# Altium PCB E-Nose&Alphasense.PcbDoc (continued)
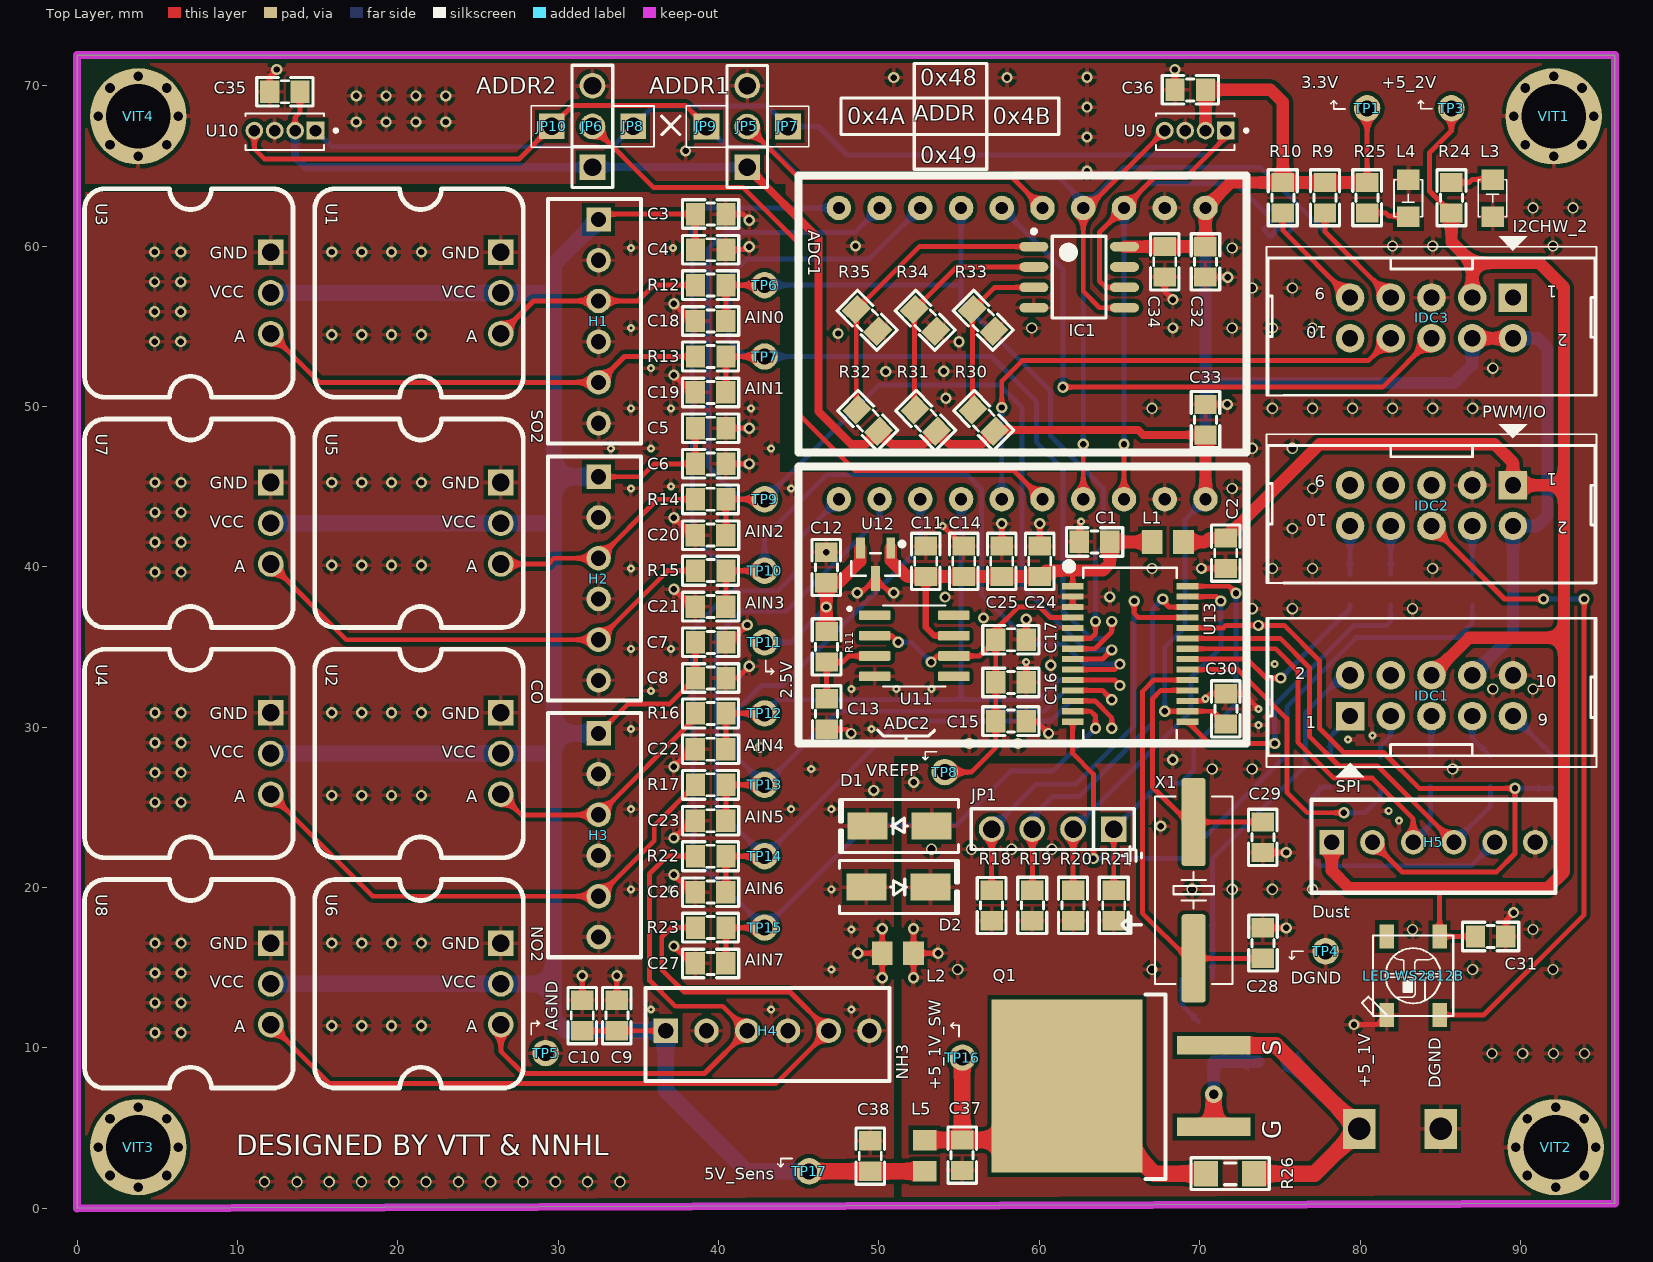
[diagram p0: Top Layer view]
## Nets (pads, with @x,y where several pads share a name; then routed paths per layer and width w, separated by ;. In a path a pad name is that pad's centre, name@x,y a point inside that pad or via, vN(x,y) a via of type N, cw(c..) or ccw(c..) an arc to the next point about the centre after c; other vN are vias at no path point)
2.5V: C12.1 R11.1 TP11.1 U12.2 | length 11.3
  Top Layer w0.762: R11.1@46.717,35.98 v1(46.717,37.497) C12.1 47.498,39.014 48.834,40.35 U12.2
  Bottom Layer w0.305: TP11.1 44.513,35.293 v1(46.717,37.497)
3.3V: ADC1.1 ADC2.1 C30.1 C32.1 C33.1 C34.2 C35.1 C36.1 IC1.8 IDC1.8 IDC2.2 IDC3.2 IDC3.4 JP5.1 JP6.1 R9.1 R10.1 R25.2 R30.2 R31.2 R32.2 TP1.1 U9.2 U10.2 U13.16 | length 202.1
  Top Layer w0.305: U10.2 13.589,68.04 13.9,68.351 C35.1 ; v1(67.818,30.994) U13.16 70.832,30.994 C30.1 ; R25.2 TP1.1
  Top Layer w0.508: JP5.1 46.228,60.477 46.228,49.682 48.26,47.65 49.165,47.65 R32.2 50.772,47.65 52.785,47.65 R31.2 54.392,47.65 56.404,47.65 R30.2 57.293,48.539 66.167,48.539 66.478,48.228 C33.1
  Top Layer w0.762: IC1.8 67.813,59.969 C34.2 67.83,59.969 C32.1 ADC1.1 71.939,63.963 R10.1 ; ADC2.1 70.361,44.224 C33.1 ; U9.2 C36.1 74.422,69.748 75.184,68.986 R10.1 ; R25.2 80.428,63.963 R9.1 R10.1 ; IDC3.4 IDC3.2
  Bottom Layer w0.305: JP6.1@32.126,64.922 JP6.1 ; JP5.1@41.778,64.927 JP5.1 ; v1@67.818,31.013 67.818,34.981 69.088,36.251 69.088,42.951 ADC2.1
  Bottom Layer w0.508: U10.2 13.589,65.557 14.224,64.922 JP6.1@32.126,64.922 ; JP6.1 JP5.1@41.778,64.927
  Bottom Layer w0.762: ADC2.1 70.358,51.46 ; ADC1.1 70.358,51.46 ; IDC1.8 89.535,35.777 IDC2.2 91.04,42.551 91.694,43.205 91.694,53.619 91.059,54.254 IDC3.2 IDC3.4 86.995,52.603 85.852,51.46 70.358,51.46
+5_1V: P1.2 Q1.3 R26.1 R36.2 | length 25.1
  Top Layer w1.016: Q1.3 74.744,10.16 P1.2 77.157,2.159 R26.1
  Bottom Layer w1.016: R36.2 75.76,9.144 P1.2
+5_1V_SW: C37.1 L5.2 Q1.2 R26.2 TP16.1 | length 26.4
  Top Layer w1.016: L5.2 52.851,4.262 C37.1 ; TP16.1 55.185,9.374 C37.1 ; R26.2 67.183,2.159 Q1.2 58.364,4.262 C37.1
+5_2V: "LED WS2812B.1-VDD" C2.1 C31.1 H5.1 IDC1.6 IDC2.1 IDC3.3 L1.2 R24.1 TP3.1 | length 116
  Top Layer w0.305: 84.963,19.964 84.962,19.963 84.962,16.953 87.189,16.953 C31.1 ; R24.1 84.328,63.438 84.328,65.812 85.695,67.179 TP3.1
  Top Layer w0.762: L1.2 70.358,41.551 70.612,41.805 C2.1 77.47,47.65 88.392,47.65 89.535,46.507 IDC2.1 92.71,45.091 ; H5.1 78.232,21.056 79.324,19.964 84.963,19.964 91.694,19.964 92.71,20.98 92.71,35.585 ; IDC1.6 86.803,35.585 92.71,35.585 ; R24.1 85.695,60.253 86.995,58.953 ; IDC3.3 86.995,58.953 ; 86.995,58.953 91.186,58.953 92.71,57.429 92.71,45.091 ; 92.71,35.585 92.71,45.091
+5V_ADC: C1.1 C11.1 C14.1 C24.1 C25.1 L1.1 U11.7 U12.1 U13.1 | length 25.3
  Top Layer w0.305: U13.1 62.078,39.751 62.103,39.776
  Top Layer w0.381: C11.1 52.917,36.236 53.441,35.712 U11.7
  Top Layer w0.762: U12.1 50.734,40.4 51.739,39.395 C11.1 C14.1 C25.1 C24.1 60.41,39.776 62.103,39.776 63.97,39.776 64.392,40.199 64.392,41.551 L1.1
+5V_Sensors: C3.1 C4.1 C5.1 C6.1 C7.1 C8.1 C9.1 C10.1 C38.1 H1.1 H2.1 H3.1 H4.1 L5.1 TP17.1 U1.2 U2.2 U3.2 U4.2 U5.2 U6.2 U7.2 U8.2 | length 188.4
  Top Layer w0.305: C10.1 C9.1 H4.1 ; H3.1 34.338,31.442 36.929,31.442 C8.1 C7.1 ; H2.1 35.179,45.618 35.982,46.421 C6.1 C5.1 ; H1.1 32.852,62.001 C3.1 C4.1
  Top Layer w1.016: TP17.1 C38.1 L5.1
  Bottom Layer w1.016: U8.2 U6.2 29.718,13.995 ; U4.2 U2.2 29.707,28.357 29.718,28.346 ; U7.2 U5.2 29.696,42.719 29.718,42.697 ; U3.2 U1.2 29.685,57.081 29.718,57.048 ; H3.1 29.718,29.616 ; H2.1 29.718,45.618 ; H1.1 29.718,58.867 29.718,57.048 ; TP17.1 41.763,2.306 36.703,7.366 H4.1 30.48,11.074 29.718,11.836 29.718,13.995 ; 29.718,13.995 29.718,28.346 ; 29.718,28.346 29.718,29.616 ; 29.718,29.616 29.718,42.697 ; 29.718,42.697 29.718,45.618 ; 29.718,45.618 29.718,57.048
-5: IDC3.1
ADS1115_1_ADDR: ADC1.5 JP5.2 | length 20.5
  Top Layer w0.305: JP5.2 44.958,64.287 58.293,64.287 ADC1.5
ADS1115_2_ADDR: ADC2.5 JP6.2 | length 43.9
  Top Layer w0.305: JP6.2 35.946,63.652 41.529,63.652 44.958,60.223 44.958,49.555 48.514,45.999 58.42,45.999 ADC2.5
AGND: C1.2 C3.2 C4.2 C5.2 C6.2 C7.2 C8.2 C9.2 C10.2 C11.2 C12.2 C13.2 C14.2 C15.2 C16.2 C17.2 C18.2 C19.2 C20.2 C21.2 C22.2 C23.2 C24.2 C25.2 C26.2 C27.2 C38.2 D1.2 D2.1 H1.2 H1.4 H1.6 H2.2 H2.4 H2.6 H3.2 H3.4 H3.6 H4.2 H4.4 H4.6 L2.2 TP5.1 U1.1 U2.1 U3.1 U4.1 U5.1 U6.1 U7.1 U8.1 U11.4 U12.3 U13.2 U13.3 U13.5 | length 48
  Top Layer w0.305: C10.2 31.493,14.5 v1(31.496,14.503) ; C9.2 33.655,14.5 v1(33.658,14.503) ; v1(37.211,16.351) 38.293,15.268 C27.2 ; v1(37.211,20.802) 38.293,19.72 C26.2 ; v1(37.211,23.089) 38.293,24.171 C23.2 ; v1(37.211,27.54) 38.293,28.623 C22.2 ; v1(37.211,38.608) 38.293,37.525 C21.2 ; v1(37.211,43.059) 38.293,41.977 C20.2 ; v1(37.211,51.962) 38.293,50.879 C19.2 ; v1(37.211,56.413) 38.293,55.331 C18.2 ; C8.2 41.17,33.067 v1(41.91,33.807) ; C7.2 40.706,35.293 v1(41.788,36.375) ; C6.2 v1(41.91,46.421) ; C5.2 v1(41.91,48.647) ; C3.2 41.529,62.001 v1(41.91,61.62) ; C4.2@40.902,60.223 C4.2 41.716,59.775 v1(41.91,59.969) ; v1(46.717,40.914) C12.2@46.731,40.914 ; C13.2 48.001,29.875 v1(48.26,29.616) ; v1(48.641,38.379) 48.889,38.379 U12.3 50.679,38.379 v1(50.927,38.379) ; v1(48.678,15.9) L2.2 ; v1(50.208,14.37) L2.2 ; v1(50.208,17.43) L2.2 ; v3(53.975,42.551) 55.231,41.295 C14.2 C14.2@55.621,41.295 ; C25.2 v1(57.658,42.697) ; C15.2 59.817,30.378 v1(60.579,29.616) ; C16.2 v3(59.182,34.061) ; C17.2 v1(59.182,36.728) ; C24.2 v1(60.029,42.697) ; U13.3 U13.2 ; C1.2 62.489,42.702 v3(62.611,42.824)
  other v1: 4.853,10.947 6.477,10.947 15.875,11.382 17.738,11.382 19.6,11.382 21.463,11.382 4.853,12.81 6.477,12.81 4.853,14.672 6.477,14.672 4.853,16.535 6.477,16.535 15.875,16.535 17.738,16.535 19.6,16.535 21.463,16.535 4.853,25.309 6.477,25.309 15.875,25.744 17.738,25.744 19.6,25.744 21.463,25.744 49.668,26.06 4.853,27.172 6.477,27.172 42.585,28.727 55.626,28.985 58.674,28.985 4.853,29.034 6.477,29.034 4.853,30.897 6.477,30.897 15.875,30.897 17.738,30.897 19.6,30.897 21.463,30.897 60.706,33.864 56.515,36.81 54.119,38.117 64.389,38.125 4.853,39.671 6.477,39.671 15.875,40.106 17.738,40.106 19.6,40.106 21.463,40.106 4.853,41.534 6.477,41.534 4.853,43.396 6.477,43.396 4.853,45.259 6.477,45.259 15.875,45.259 17.738,45.259 19.6,45.259 21.463,45.259 4.826,54.045 6.451,54.045 15.875,54.481 17.738,54.481 19.6,54.481 21.463,54.481 4.826,55.908 6.451,55.908 4.826,57.771 6.451,57.771 4.826,59.633 6.451,59.633 15.875,59.633 17.738,59.633 19.6,59.633 21.463,59.633
  other v2: 11.684,1.651 13.698,1.651 15.712,1.651 17.727,1.651 19.741,1.651 21.755,1.651 23.769,1.651 25.784,1.651 27.798,1.651 29.812,1.651 31.826,1.651 33.841,1.651
  other v3: 35.776,12.39 43.276,12.39 48.276,12.39 47.026,14.89 48.276,17.39 34.526,19.89 37.026,19.89 47.026,19.89 34.526,24.89 44.526,24.89 47.026,24.89 45.776,27.39 34.526,29.89 49.526,29.89 35.776,32.263 48.276,32.39 51.082,32.382 53.276,32.39 34.526,34.89 37.026,34.89 34.526,39.89 34.526,44.89 44.526,44.89 37.026,45.017 33.276,47.39 35.776,47.39 43.276,47.39 34.526,49.89 37.026,49.89 42.026,49.89 35.776,52.39 34.526,54.89 34.526,59.89 37.153,59.89
CO_OP1+: H2.3 R14.1 U5.3 | length 13.8
  Top Layer w0.305: U5.3 29.359,40.179 29.718,40.538 H2.3 36.188,44.214 R14.1
CO_OP2+: H2.5 R15.1 U7.3 | length 30.2
  Top Layer w0.305: U7.3 16.786,35.458 H2.5 36.817,39.763 R15.1
"Control_Vsensors (P17)": IDC1.2 R37.1 R38.1 | length 22.7
  Bottom Layer w0.305: R37.1 R38.1 70.802,21.825 76.608,27.632 76.608,30.931 78.914,33.237 IDC1.2
DGND: "LED WS2812B.3-GND" ADC1.2 ADC2.2 C2.2 C28.1 C29.1 C30.2 C31.2 C32.2 C33.2 C34.1 C35.2 C36.2 C37.2 D1.1 D2.2 H5.6 IC1.4 IDC1.10 IDC2.3 IDC3.5 JP5.3 JP6.3 L2.1 L3.2 L4.2 P1.1 Q2.1 R18.1 R19.2 R20.2 R21.2 R33.1 R34.1 R35.1 R38.2 TP4.1 U9.3 U10.3 U13.17 VIT1.1 VIT2.1 VIT4.1 | length 25.2
  Top Layer w0.305: C35.2 12,70.572 v1(12.446,71.018) ; v1(52.154,14.37) L2.1 ; v1(52.154,17.43) L2.1 ; v1(53.684,15.9) L2.1 ; C34.1 67.821,57.172 v1(68.326,56.667) ; v1(68.453,71.018) 68.461,71.01 C36.2 ; U13.17 70.227,31.644 v3(70.358,31.775) 70.677,32.094 C30.2 72.706,32.094 v3(73.66,31.14) ; v1(70.104,39.903) 70.106,39.905 C2.2 ; C32.2 71.75,58.069 v1(71.755,58.064) ; C33.2 v1(71.719,50.128) ; C28.1 v1(75.402,17.487) ; C29.1 v1(75.402,22.187) ; v1(79.62,11.455) 81.064,11.455 81.662,12.053 ; C31.2 89.092,17.957 v1(89.575,18.44)
  other v1: 67.564,23.831 52.174,26.564 68.313,27.965 54.172,50.511 50.419,52.175 54.045,52.197 54.991,54.041 47.45,54.553 68.326,54.901 48.534,60.008 62.974,64.668 37.94,65.938 62.974,66.808 17.399,67.743 19.262,67.743 21.124,67.743 22.987,67.743 62.974,68.671 17.399,69.367 19.262,69.367 21.124,69.367 22.987,69.367 50.927,70.51 57.985,70.51 62.974,70.534
  other v2: 88.22,9.652 90.145,9.652 92.069,9.652 93.994,9.652 54.907,14.89 67.026,14.89 87.026,14.89 92.026,14.89 83.276,17.39 90.776,17.39 69.526,19.89 72.026,19.89 74.526,19.89 77.026,19.89 53.276,22.39 55.776,22.39 58.276,22.39 60.776,22.39 70.776,27.39 73.276,27.39 85.776,27.39 88.276,32.39 90.776,32.39 73.276,37.39 75.776,37.39 83.276,37.39 67.026,39.89 74.526,39.89 77.026,39.89 84.526,39.89 75.776,42.39 72.026,44.89 77.026,44.89 73.276,47.39 75.776,47.39 67.026,49.89 74.526,49.89 77.026,49.89 79.526,49.89 82.026,49.89 84.526,49.89 87.026,49.89 88.276,52.39 59.526,54.89 72.026,54.89 74.526,54.89 77.026,54.89 73.276,57.39 75.776,57.39 72.026,59.89 82.026,60.017 84.526,60.017 92.026,60.017 90.776,62.39 93.276,62.39
  other v3: 82.423,24.171 81.788,24.79 79.248,29.235 80.772,29.489 73.66,30.124 74.676,33.934
EEPROM_A0: IC1.1 R32.1 R35.2 | length 19
  Top Layer w0.305: R32.1 48.583,49.839 R35.2 52.508,59.969 IC1.1
EEPROM_A1: IC1.2 R31.1 R34.2 | length 14.8
  Top Layer w0.305: R31.1 52.203,49.839 R34.2 54.857,58.699 IC1.2
EEPROM_A2: IC1.3 R30.1 R33.2 | length 10.7
  Top Layer w0.305: R30.1 55.822,49.839 R33.2 57.207,57.429 IC1.3
GPIO_D0/CLKOUT: JP1.4 R18.2 U13.25 | length 27.3
  Top Layer w0.305: R18.2 JP1.4 ; v1(65.913,37.871) 65.913,37.109 66.178,36.844 U13.25
  Bottom Layer w0.305: JP1.4 59.817,26.441 62.263,26.441 65.913,30.091 v1(65.913,37.871)
GPIO_D1: JP1.3 R19.1 U13.26 | length 24.3
  Top Layer w0.305: R19.1 JP1.3 ; v1(67.7,37.998) 67.7,37.877 68.083,37.494 U13.26
  Bottom Layer w0.305: JP1.3 59.563,24.409 60.833,25.679 62.484,25.679 67.056,30.251 67.056,37.354 v1(67.7,37.998)
GPIO_D2: JP1.2 R20.1 U13.27 | length 24
  Top Layer w0.305: R20.1 JP1.2 ; U13.27 71.043,38.144 v1(71.316,37.871)
  Bottom Layer w0.305: JP1.2 69.469,31.013 69.469,33.103 71.316,34.95 v1(71.316,37.871)
GPIO_D3: JP1.1 R21.1 U13.28 | length 25.6
  Top Layer w0.305: R21.1 JP1.1 ; U13.28 71.824,38.794 v1(72.263,38.355)
  Bottom Layer w0.305: JP1.1 67.491,26.495 68.795,26.495 69.629,27.33 69.629,28.804 72.263,31.438 v1(72.263,38.355)
I2C_SCL: ADC1.3 ADC2.3 IC1.6 IDC3.9 JP7.1 JP8.1 R10.2 U9.1 U10.1 | length 122.9
  Top Layer w0.305: ADC2.3 v1(65.278,47.65) ; IC1.6 64.135,57.429 63.754,57.81 63.754,60.858 ADC1.3 67.183,64.287 69.122,64.287 71.631,66.796 U9.1 ; R10.2 75.184,60.985 IDC3.9
  Bottom Layer w0.305: U10.1 15.87,66.197 33.401,66.197 JP8.1 35.936,68.732 43.053,68.732 JP7.1 46.228,67.462 48.006,65.684 70.519,65.684 71.631,66.796 U9.1 ; v1(65.278,47.65) ADC1.3 66.802,63.906 72.263,63.906 73.914,62.255 74.13,62.039 74.572,62.482 cw(c74.577,62.478) 74.581,62.482 75.003,62.06 cw(c74.999,62.055) 75.003,62.051 74.561,61.608 73.985,61.033 ccw(c73.989,61.029) 73.985,61.024 74.408,60.602 ccw(c74.412,60.606) 74.416,60.602 74.992,61.177 75.434,61.62 cw(c75.439,61.616) 75.443,61.62 75.865,61.198 cw(c75.861,61.193) 75.865,61.189 75.423,60.746 76.518,59.652 IDC3.9
I2C_SDA: ADC1.4 ADC2.4 IC1.5 IDC3.7 JP9.1 JP10.1 R9.2 U9.4 U10.4 | length 121.3
  Top Layer w0.305: U10.4 11.049,66.065 11.684,65.43 27.554,65.43 JP10.1 30.886,68.762 37.943,68.762 JP9.1 ; ADC2.4 v1(62.738,47.65) ; IC1.5 63.754,56.159 62.738,57.175 ADC1.4 62.995,62.382 U9.4 ; R9.2 77.813,60.896 IDC3.7
  Bottom Layer w0.305: JP9.1 40.513,66.192 43.18,66.192 45.085,64.287 61.214,64.287 62.738,62.763 ADC1.4 ; v1(62.738,47.65) ADC1.4 ; IDC3.7 73.787,64.922 65.278,64.922 ADC1.4
IDC_SPI_CLK: IDC1.9 R7.2 | length 3.5
  Bottom Layer w0.305: IDC1.9 91.887,28.345 R7.2
IDC_SPI_CS: IDC1.3 R2.2 | length 2.8
  Bottom Layer w0.305: R2.2 81.283,28.804 81.915,29.437 IDC1.3
IDC_SPI_MISO: IDC1.5 R4.2 | length 2.6
  Bottom Layer w0.305: R4.2 84.394,29.254 84.455,29.315 IDC1.5
IDC_SPI_MOSI: IDC1.7 R5.2 | length 3
  Bottom Layer w0.305: IDC1.7 86.995,29.315 R5.2
IN0: ADC1.7 C18.1 R12.2 TP6.1 U13.6 | length 48.9
  Top Layer w0.305: C18.1 40.451,55.337 R12.2 TP6.1 ; U13.6 63.205,35.544 63.5,35.839 v1(63.5,36.601)
  Bottom Layer w0.305: TP6.1 55.106,57.568 55.118,57.556 ; ADC1.7 55.118,57.556 ; v1(63.5,36.601) 63.5,40.792 64.008,41.3 64.008,44.856 60.706,48.158 60.706,50.952 55.118,56.54 55.118,57.556
IN1: ADC1.8 C19.1 R13.2 TP7.1 U13.7 | length 64.9
  Top Layer w0.305: C19.1 40.451,50.886 R13.2 TP7.1 ; U13.7 63.47,34.894 64.516,35.94 v1(64.516,36.601)
  Bottom Layer w0.305: ADC1.8 49.403,59.207 41.79,59.207 40.64,58.057 40.64,54.127 41.65,53.117 TP7.1 57.017,53.117 59.817,50.317 59.817,47.777 61.468,46.126 61.468,37.274 63.198,35.544 64.12,35.544 64.516,35.94 v1(64.516,36.601)
IN2: ADC1.9 C20.1 R14.2 TP9.1 U13.8 | length 75
  Top Layer w0.305: C20.1 40.451,41.983 R14.2 TP9.1 ; U13.8 63.937,34.244 v1(64.516,34.823)
  Bottom Layer w0.305: ADC1.9 48.514,60.858 40.386,60.858 39.37,59.842 39.37,46.253 41.409,44.214 TP9.1 49.983,51.333 57.531,51.333 58.928,49.936 58.928,38.76 62.865,34.823 v1(64.516,34.823)
IN3: ADC1.10 C21.1 R15.2 TP10.1 U13.9 | length 76.9
  Top Layer w0.305: C21.1 40.451,37.531 R15.2 TP10.1 ; U13.9 64.684,33.594 v1(65.024,33.934)
  Bottom Layer w0.305: ADC1.10 39.075,62.382 38.354,61.661 38.354,41.935 40.526,39.763 TP10.1 42.864,41.873 46.736,45.745 55.499,45.745 56.388,44.856 56.388,38.288 59.506,35.171 61.571,35.171 62.808,33.934 v1(65.024,33.934)
IN4: ADC2.7 C22.1 R16.2 TP12.1 U13.10 | length 43.4
  Top Layer w0.305: C22.1 40.451,28.629 R16.2 TP12.1 ; U13.10 64.684,32.944 v1(65.024,32.604)
  Bottom Layer w0.305: TP12.1 43.719,31.715 55.118,31.715 ; ADC2.7 55.118,31.715 ; v1(65.024,32.604) 64.684,32.944 61.24,32.944 60.011,31.715 55.118,31.715
IN5: ADC2.8 C23.1 R17.2 TP13.1 U13.11 | length 55.6
  Top Layer w0.305: C23.1 40.451,24.177 R17.2 TP13.1 ; U13.11 63.937,32.294 v1(64.516,31.715)
  Bottom Layer w0.305: ADC2.8 52.578,41.209 43.973,32.604 42.672,32.604 41.247,31.179 41.247,28.026 TP13.1 47.45,30.994 60.306,30.994 61.606,32.294 63.937,32.294 v1(64.516,31.715)
IN6: ADC2.9 C26.1 R22.2 TP14.1 U13.12 | length 64.3
  Top Layer w0.305: C26.1 40.451,19.726 R22.2 TP14.1 ; U13.12 63.47,31.644 64.516,30.598 v1(64.516,29.937)
  Bottom Layer w0.305: ADC2.9 50.038,43.053 44.221,37.236 41.397,37.236 39.878,35.717 39.878,24.944 TP14.1 51.285,30.378 60.706,30.378 61.972,31.644 63.47,31.644 64.516,30.598 v1(64.516,29.937)
IN7: ADC2.10 C27.1 R23.2 TP15.1 U13.13 | length 66.8
  Top Layer w0.305: C27.1 40.451,15.275 R23.2 TP15.1 ; U13.13 63.205,30.994 63.5,30.699 v1(63.5,29.937)
  Bottom Layer w0.305: ADC2.10 44.831,41.554 44.831,39.649 43.692,38.51 40.771,38.51 38.408,36.147 38.408,21.963 TP15.1 49.259,23.901 54.848,23.901 58.21,27.263 60.826,27.263 v1(63.5,29.937)
MEMS_AOUT0: H1.3 R12.1 U1.3 | length 13.4
  Top Layer w0.305: U1.3 28.456,56.581 H1.3 34.966,56.581 35.953,57.568 R12.1
MEMS_AOUT1: H1.5 R13.1 U3.3 | length 28.4
  Top Layer w0.305: U3.3 15.105,51.501 H1.5 34.128,53.117 R13.1
MEMS_AOUT4: H3.3 R16.1 U2.3 | length 15.5
  Top Layer w0.305: U2.3 27.697,24.536 H3.3 38.551,30.575 R16.1
MEMS_AOUT5: H3.5 R17.1 U4.3 | length 32.5
  Top Layer w0.305: U4.3 18.426,19.456 H3.5 35.982,22.926 35.982,23.84 R17.1
MEMS_AOUT6: H4.3 R22.1 U6.3 | length 36.1
  Top Layer w0.305: U6.3 26.416,9.804 27.813,8.407 39.116,8.407 H4.3 40.259,12.598 37.299,12.598 35.687,14.21 35.687,20.853 36.791,21.957 R22.1
MEMS_AOUT7: H4.5 R23.1 U8.3 | length 54.1
  Top Layer w0.305: U8.3 15.748,7.772 43.561,7.772 H4.5 44.45,13.487 37.846,13.487 36.449,14.884 36.449,16.916 37.039,17.506 R23.1
NetC13_1: C13.1 R11.2 U11.3 | length 5.4
  Top Layer w0.305: C13.1 R11.2 47.727,34.061 48.108,34.442 U11.3
NetH5_2: H5.2 R7.1 U13.24 | length 43.8
  Top Layer w0.305: U13.24 71.475,36.194 71.628,36.347 v1(73.66,36.347) 75.273,36.347 77.47,34.15 77.47,29.937 78.986,28.421 81.459,28.421 83.693,26.187 v1(89.662,26.187) 89.662,22.123 88.519,20.98 82.615,20.98 H5.2
  Bottom Layer w0.305: v1(89.662,26.187) 91.97,26.187 R7.1
NetH5_3: H5.3 R4.1 U13.22 | length 26.5
  Top Layer w0.305: U13.22 74.732,34.894 76.119,33.507 76.119,29.062 78.359,26.822 80.772,26.822 83.312,24.282 H5.3
  Bottom Layer w0.305: H5.3 84.394,23.906 R4.1 R4.1@84.35,26.314
NetH5_4: H5.4 R5.1 U13.23 | length 28.8
  Top Layer w0.305: U13.23 75.017,35.544 76.835,33.726 76.835,29.438 78.689,27.584 81.091,27.584 H5.4
  Bottom Layer w0.305: H5.4 88.141,25.112 R5.1 R5.1@88.096,26.314
NetH5_5: H5.5 R1.1 | length 17.5
  Bottom Layer w0.305: R1.1 77.65,26.269 76.901,25.521 76.901,21.93 77.47,21.361 86.93,21.361 H5.5
NetL3_1: L3.1 R24.2 | length 2.7
  Top Layer w0.305: R24.2 86.806,63.971 86.995,64.16 88.235,64.16 L3.1
NetL4_1: L4.1 R25.1 | length 2.7
  Top Layer w0.305: R25.1 81.591,62.071 81.788,61.874 82.977,61.874 L4.1
NetQ1_1: Q1.1 Q2.3 R36.1 | length 6.8
  Top Layer w1.016: Q1.1 v4(70.872,7.112)
  Bottom Layer w0.762: v4(70.872,7.112) Q2.3 R36.1
NetQ2_2: Q2.2 R37.2 | length 3.1
  Bottom Layer w0.305: R37.2 68.902,12.664 Q2.2
NetR2_1: R2.1 U13.20 | length 19.5
  Top Layer w0.305: U13.20 72.383,33.594 75.438,30.539 75.438,25.933 76.708,24.663 v1(78.994,24.663)
  Bottom Layer w0.305: v1(78.994,24.663) 80.305,24.663 81.283,25.64 R2.1
NetR3_1: R3.1 U13.14 | length 41.7
  Top Layer w0.305: U13.14 62.078,28.371 63.373,27.076 v1(63.373,21.807)
  Bottom Layer w0.305: v1(63.373,21.807) 68.961,21.807 75.438,28.284 75.438,31.267 79.756,35.585 86.106,35.585 86.995,36.474 R3.1
NetR6_1: R6.1 U13.15 | length 18.8
  Top Layer w0.305: U13.15 70.6,28.985 v1(74.676,28.985)
  Bottom Layer w0.305: v1(74.676,28.985) 74.676,31.394 79.629,36.347 81.661,36.347 81.915,36.601 R6.1
NetR8_1: R8.1 U13.21 | length 12.6
  Top Layer w0.305: U13.21 72.969,34.244 74.146,33.067 v1(75.057,33.067)
  Bottom Layer w0.305: v1(75.057,33.067) 79.375,37.385 R8.1
P00: IDC2.8 R6.2 | length 3
  Bottom Layer w0.305: R6.2 IDC2.8
P01: IDC2.10 R8.2 | length 3
  Bottom Layer w0.305: R8.2 IDC2.10
P02: IDC2.9
P03: IDC2.7
P04: IDC2.5
P05: IDC1.1 R1.2 | length 3
  Bottom Layer w0.305: R1.2 78.171,29.439 79.375,30.643 IDC1.1
P10: ADC1.6 IDC3.6 | length 37
  Top Layer w0.305: v1(61.468,51.206) 81.407,51.206 IDC3.6
  Bottom Layer w0.305: ADC1.6 61.468,58.572 v1(61.468,51.206)
P11: ADC2.6 IDC3.8 | length 32.7
  Top Layer w0.305: v1(57.658,49.936) 57.658,51.587 58.928,52.857 80.518,52.857 IDC3.8
  Bottom Layer w0.305: ADC2.6 v1(57.658,49.936)
P12: IDC3.10
P16: IDC1.4
PWM_01: IDC2.4 R3.2 | length 3
  Bottom Layer w0.305: R3.2 IDC2.4
PWM_02: "LED WS2812B.4-DIN" IDC2.6 | length 42.7
  Top Layer w0.305: IDC2.6 89.008,37.998 v1(91.44,37.998) ; 84.962,12.053 87.709,12.053 93.97,18.314 v1(93.97,37.998)
  Bottom Layer w0.305: v1(91.44,37.998) v1(93.97,37.998)
VREFP: C15.1 C16.1 C17.1 TP8.1 U11.2 U11.6 U13.4 | length 25.6
  Top Layer w0.305: U11.2 50.789,35.712 v1(51.205,35.296) ; v1(53.248,34.061) 53.629,34.442 U11.6 56.266,34.442 C17.1 ; TP8.1 55.758,27.203 57.282,28.727 C15.1 C16.1 C17.1 ; U13.4 60.689,36.844 60.043,37.49 58.678,37.49 57.282,36.094 C17.1
  Bottom Layer w0.305: v1(51.205,35.296) 52.013,35.296 v1(53.248,34.061)
XTAL1: C28.2 U13.19 X1.2 | length 25.6
  Top Layer w0.305: U13.19 67.142,32.944 66.421,32.223 66.421,18.408 69.242,15.587 X1.2 C28.2
XTAL2: C29.2 U13.18 X1.1 | length 15.7
  Top Layer w0.305: U13.18 67.575,32.294 67.056,31.775 67.056,26.273 69.242,24.087 X1.1 C29.2
pads on no net: "LED WS2812B.2-DOUT" IC1.7 U11.1 U11.5 U11.8 VIT3.1 X1.0

## Polygon pours and split planes (outlines as drawn)
no net on Top Layer "ATop poly" (solid, remove dead copper, pour order 8): 50.927,27.497
AGND on Top Layer "ATop poly" (solid, remove dead copper, pour order 2): 0,0.127 50.927,0.127 50.927,28.219 65.024,28.219 65.024,45.906 43.849,45.906 43.815,45.872 43.815,63.372 0.026,63.372 0,63.398
DGND on Top Layer "DTop poly" (solid, remove dead copper, pour order 0): 0,71.907 0,63.906 44.196,63.906 44.196,46.634 65.659,46.634 65.659,27.711 51.427,27.711 51.427,0.164 95.885,0.164 95.885,71.907
AGND on Bottom Layer "ATop poly" (solid, remove dead copper, pour order 12): 0,0.127 50.927,0.127 50.927,28.219 65.024,28.219 65.024,45.906 43.849,45.906 43.815,45.872 43.815,63.372 0.026,63.372 0,63.398
DGND on Bottom Layer "DTop poly" (solid, remove dead copper, pour order 10): 0,71.907 0,63.906 44.196,63.906 44.196,46.634 65.659,46.634 65.659,27.711 51.427,27.711 51.427,0.233 95.885,0.233 95.885,71.907

## Keep-outs
Keep-Out Layer:
  the board outline again, w0.5

## Other copper
Top Layer:
  text "Prob: ADS1115 phai cap 5V vi sensor_out 0-5V (I2C van pull 3v3) / State: Chua fix" at 7.366,75.565 h5.08

## Silkscreen, mask and mechanical layers (free items; w line width, h text height)
Top Overlay:
  lines w0.1: 28.321,10.82 28.321,11.531 28.829,11.531 ; 28.659,11.362 28.829,11.531 ; 28.659,11.701 28.829,11.531 ; 42.926,34.188 42.926,33.477 43.434,33.477 ; 43.264,33.307 43.434,33.477 ; 43.264,33.646 43.434,33.477 ; 43.696,2.765 43.866,2.595 ; 44.035,2.765 43.866,2.595 ; 44.577,3.103 43.866,3.103 43.866,2.595 ; 52.722,28.135 52.891,27.965 ; 53.061,28.135 52.891,27.965 ; 53.602,28.473 52.891,28.473 52.891,27.965 ; 54.653,11.235 54.483,11.405 ; 54.653,11.574 54.483,11.405 ; 54.991,10.693 54.991,11.405 54.483,11.405 ; 75.573,15.689 75.743,15.519 ; 75.912,15.689 75.743,15.519 ; 76.454,16.027 75.743,16.027 75.743,15.519 ; 78.189,68.893 78.359,69.063 ; 78.529,68.893 78.359,69.063 ; 79.07,68.555 78.359,68.555 78.359,69.063 ; 83.62,68.918 83.79,69.088 ; 83.96,68.918 83.79,69.088 ; 84.501,68.58 83.79,68.58 83.79,69.088
  lines w0.2: 36.449,66.954 37.592,68.097 ; 36.449,68.097 37.592,66.954 ; 49.911,29.821 50.274,29.458 51.689,29.458 ; 51.689,28.981 51.689,29.458 ; 53.467,29.821 53.104,29.458 51.689,29.458 ; 64.978,21.996 65.659,21.996 ; 65.659,21.446 65.659,22.546 ; 65.698,17.678 66.379,17.678 ; 66.019,21.646 66.019,21.996 66.019,22.346 ; 66.379,21.846 66.379,21.996 66.379,22.146 ; 52.197,66.954 56.715,66.954 ; 52.197,66.954 52.197,69.24 ; 52.197,66.954 52.197,64.795 56.715,64.795 56.715,66.954 ; 52.197,66.954 47.625,66.954 47.625,69.24 52.197,69.24 ; 52.197,69.24 56.715,69.24 ; 52.197,69.24 52.197,71.399 56.715,71.399 56.715,69.24 ; 56.715,66.954 56.715,69.24 ; 56.715,66.954 61.214,66.954 61.214,69.24 56.715,69.24 ; 65.151,17.678 65.151,17.681 65.698,18.228 65.698,17.128 65.698,17.131 65.151,17.678
  text "0x48" at 52.578,70.002 h1.02
  text "ADDR2" at 24.892,69.494 h1.02
  text "ADDR1" at 35.687,69.494 h1.02
  text "0x4A" at 48.006,67.589 h1.02
  text "0x4B" at 57.096,67.589 h1.02
  text "ADDR" at 52.197,67.462 h1.65
  text "0x49" at 52.578,65.176 h1.02
  text "GND" at 8.255,59.207 h0.76
  text "GND" at 22.733,59.207 h0.76
  text "VCC" at 8.255,56.794 h0.76
  text "VCC" at 22.733,56.794 h0.76
  text "A" at 9.779,54.016 h0.76
  text "A" at 24.257,54.016 h0.76
  text "GND" at 8.255,44.856 h0.76
  text "GND" at 22.733,44.856 h0.76
  text "VCC" at 8.255,42.443 h0.76
  text "VCC" at 22.733,42.443 h0.76
  text "A" at 9.779,39.665 h0.76
  text "A" at 24.257,39.665 h0.76
  text "GND" at 8.255,30.505 h0.76
  text "GND" at 22.733,30.505 h0.76
  text "VCC" at 8.255,28.092 h0.76
  text "VCC" at 22.733,28.092 h0.76
  text "A" at 9.779,25.314 h0.76
  text "A" at 24.257,25.314 h0.76
  text "GND" at 8.255,16.154 h0.76
  text "GND" at 22.733,16.154 h0.76
  text "VCC" at 8.255,13.741 h0.76
  text "VCC" at 22.733,13.741 h0.76
  text "A" at 9.779,10.963 h0.76
  text "A" at 24.257,10.963 h0.76
  text "+5_1V" at 80.645,7.493 h0.76 r90
  text "DGND" at 85.032,7.493 h0.76 r90
  text "DESIGNED BY VTT & NNHL" at 9.906,3.302 h1.27
Bottom Overlay:
  lines w0.2: 9.144,66.192 9.144,67.208 10.033,67.208 ; 15.875,67.208 16.764,67.208 16.764,66.192 ; 32.512,15.654 35.167,15.654 35.167,62.931 32.512,62.931 ; 35.167,39.293 36.17,39.293 ; 65.913,66.192 65.913,67.208 66.802,67.208 ; 72.644,67.208 73.533,67.208 73.533,66.192
  text "SDA" at 9.515,65.811 h0.76 r90
  text "GND" at 12.055,65.811 h0.76 r90
  text "3V3" at 14.595,65.811 h0.76 r90
  text "SCL" at 17.135,65.811 h0.76 r90
  text "SDA" at 66.284,65.811 h0.76 r90
  text "GND" at 68.824,65.811 h0.76 r90
  text "3V3" at 71.364,65.811 h0.76 r90
  text "SCL" at 73.904,65.811 h0.76 r90
  text "VCC" at 40.386,45.364 h0.76
  text "GND" at 40.386,42.824 h0.76
  text "OP1+" at 40.386,40.284 h0.76
  text "OP1-" at 40.386,37.744 h0.76
  text "OP2+" at 40.386,35.204 h0.76
  text "OP2-" at 40.386,32.537 h0.76
  text "POWERED BY SPARC LAB" at 3.937,21.234 h1.78 r270
  text "VCC" at 78.613,21.107 h0.76 r90
  text "SCK" at 81.153,21.107 h0.76 r90
  text "MISO" at 83.693,21.107 h0.76 r90
  text "MOSI" at 86.233,21.107 h0.76 r90
  text "CS" at 88.773,21.107 h0.76 r90
  text "GND" at 91.44,21.107 h0.76 r90
  text "GPIO0" at 57.404,20.599 h0.76 r90
  text "GPIO1" at 59.944,20.599 h0.76 r90
  text "GPIO2" at 62.484,20.599 h0.76 r90
  text "GPIO3" at 65.024,20.599 h0.76 r90
  text "OP2+" at 47.244,15.38 h0.76 r90
  text "OP2-" at 49.911,15.38 h0.76 r90
  text "OP1+" at 42.164,15.253 h0.76 r90
  text "OP1-" at 44.704,15.253 h0.76 r90
  text "VCC" at 37.084,14.618 h0.76 r90
  text "GND" at 39.624,14.618 h0.76 r90
  text "+5_1V" at 80.518,10.414 h0.76 r90
  text "DGND" at 85.344,9.779 h0.76 r90

## Text inside footprints (layer, text, board x,y; h text height)
IDC1: Top Overlay "10" at 90.957,32.501 h0.76; Top Overlay "9" at 91.084,30.088 h0.76; Top Overlay "2" at 75.946,32.983 h0.76; Top Overlay "1" at 76.6,29.947 h0.76
IDC2: Top Overlay "10" at 77.953,43.288 h0.76 r180; Top Overlay "9" at 77.826,45.701 h0.76 r180; Top Overlay "2" at 92.964,42.805 h0.76 r180; Top Overlay "1" at 92.31,45.841 h0.76 r180
IDC3: Top Overlay "1" at 92.31,57.544 h0.76 r180; Top Overlay "2" at 92.964,54.508 h0.76 r180; Top Overlay "9" at 77.826,57.404 h0.76 r180; Top Overlay "10" at 77.953,54.991 h0.76 r180
Q1: Top Overlay "S" at 75.06,9.525 h1.14 r90; Top Overlay "G" at 75.06,4.318 h1.14 r90
U13: Mechanical 13 "*" at 62.928,38.468 h1.27